# Altium PCB roach2.PcbDoc (part 14 of 39)
Units mil, origin at the board's own origin, x right, y up, seen from the top; angles counter-clockwise.
Board outline 12007.87 x 9606.3 mil, 16 copper layers (L1_TOP, L2_G, L3_S, L4_G, L5_S, L6_P, L7_G, L8_R, L9_R, L10_P, L11_P, L12_S, L13_P, L14_S, L15_G, L16_BOT), stack 81.651 mil thick; 1608 components, 1934 nets, 9335 pads, 6759 vias.
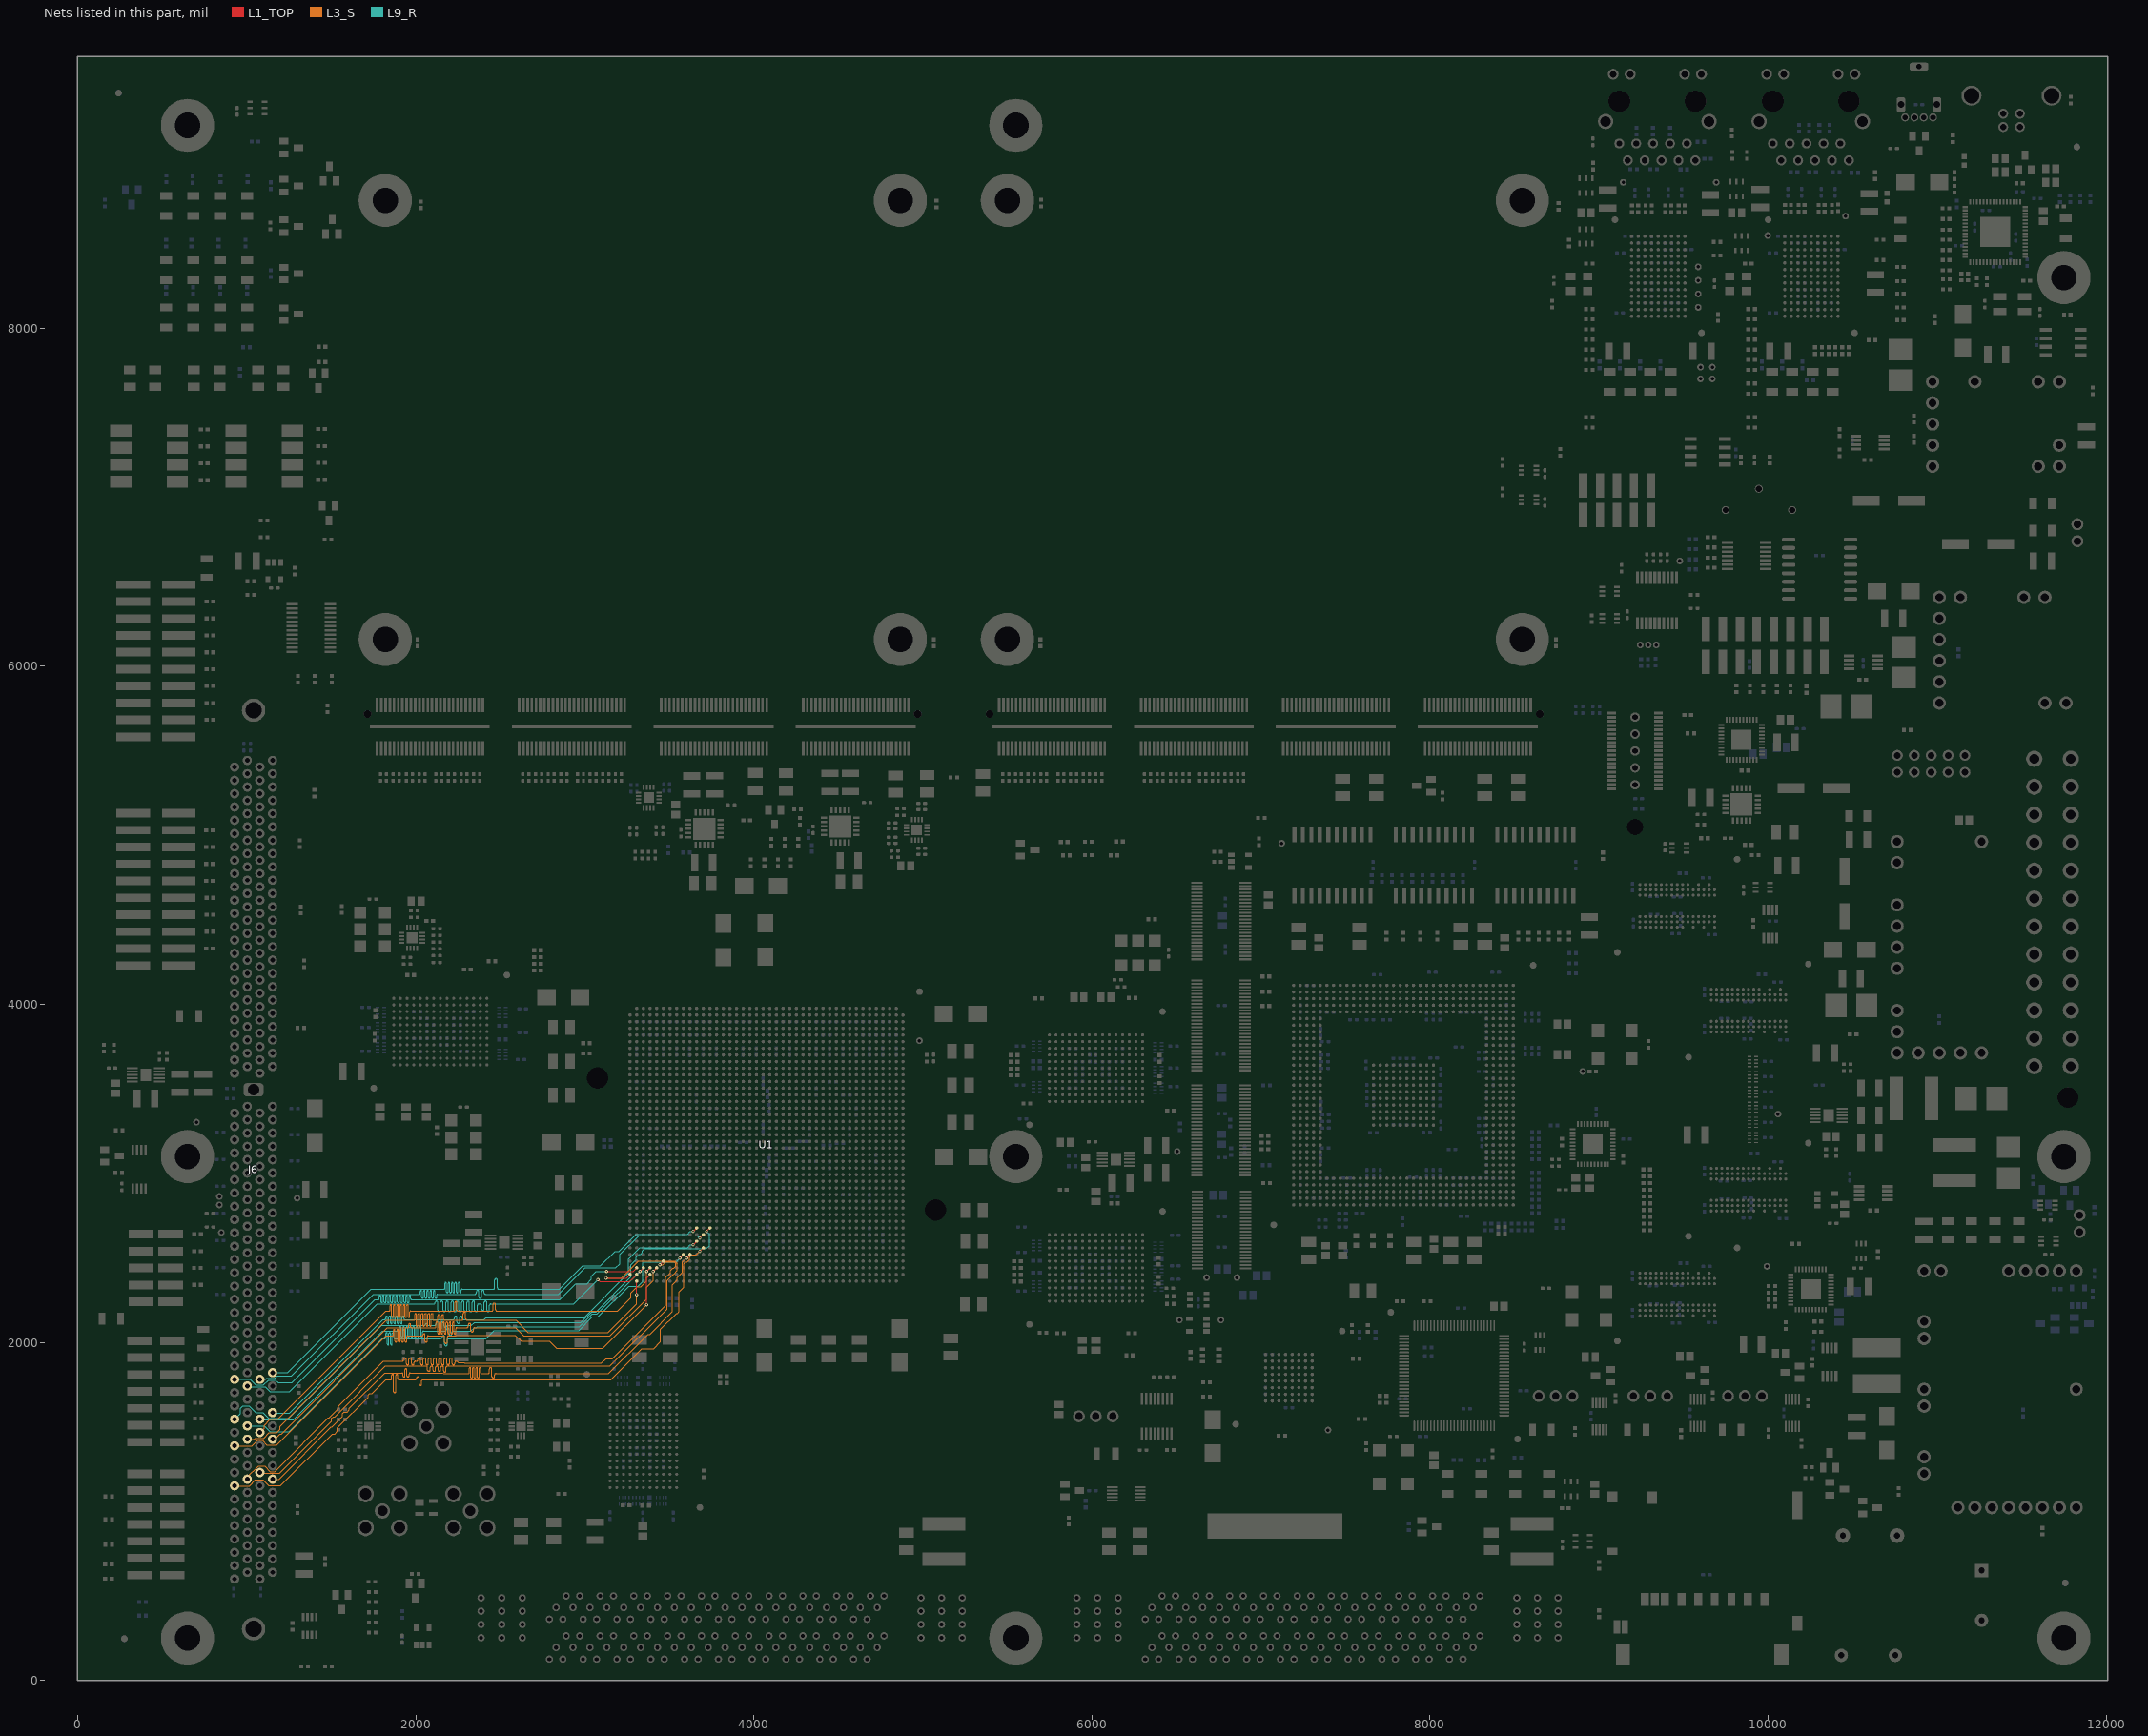
[diagram p28: the nets of this part, all layers, seen from the top]

## Via types
v1: diameter 19.4, hole 10, L1_TOP to L16_BOT, tented both sides, 3354 vias
v2: diameter 19.4, hole 10, L1_TOP to L16_BOT, 1884 vias
v3: diameter 19.4, hole 10, L1_TOP to L16_BOT, tented top, 410 vias
v4: diameter 18.6, hole 10, L1_TOP to L16_BOT, tented both sides, 311 vias
v5: diameter 59.06, hole 39.37, L1_TOP to L16_BOT, 217 vias
v6: diameter 19, hole 10, L1_TOP to L16_BOT, 198 vias
v7: diameter 19.4, hole 10.04, L1_TOP to L16_BOT, 125 vias
v8: diameter 19.4, hole 10, L1_TOP to L16_BOT, tented bottom, 80 vias
v9: diameter 25.98, hole 12.99, L1_TOP to L16_BOT, tented top, 59 vias
v10: diameter 20, hole 10, L1_TOP to L16_BOT, 52 vias
v11: diameter 59.06, hole 39.37, L1_TOP to L16_BOT, tented top, 44 vias
v12: diameter 20, hole 10, L1_TOP to L16_BOT, tented top, 16 vias
v13: diameter 19, hole 10, L1_TOP to L16_BOT, tented top, 5 vias
v14: diameter 50, hole 28, L1_TOP to L16_BOT, 4 vias

## Nets (pads, with @x,y where several pads share a name; then routed paths per layer and width w, separated by ;. In a path a pad name is that pad's centre, name@x,y a point inside that pad or via, vN(x,y) a via of type N, cw(c..) or ccw(c..) an arc to the next point about the centre after c; other vN are vias at no path point) (continued)
DDR3.DQ40: J6.90 U1.BA40 | length 3657.8
  L1_TOP w5: v2(3129.02,2419.72) 3286.5,2419.72 U1.BA40@3306.19,2439.41
  L9_R w3.8: J6.90@928.19,1781.57 928.77,1780.99 1018.99,1780.99 1052.99,1746.99 1098.99,1746.99 1128.99,1776.99 1168.99,1776.99 1184.99,1760.99 1266.99,1760.99 1758.99,2252.99 1778.99,2252.99 ; v2(3129.02,2419.72) 3065.72,2419.72 3038.42,2392.42 3038.42,2372.96 3012.45,2346.99 2946.99,2346.99 2852.99,2252.99 1974.99,2252.99 ; 1778.99,2252.99 ccw(c1778.99,2257.89) 1783.89,2257.89 ; 1778.99,2252.99 ccw(c1778.99,2257.89) 1783.89,2257.89 ; 1783.89,2257.89 1783.89,2271.97 ; 1783.89,2271.97 cw(c1788.79,2271.97) 1788.79,2276.87 ; 1783.89,2271.97 cw(c1788.79,2271.97) 1788.79,2276.87 ; 1788.79,2276.87 cw(c1788.79,2271.97) 1793.69,2271.97 ; 1788.79,2276.87 cw(c1788.79,2271.97) 1793.69,2271.97 ; 1793.69,2240.01 ccw(c1798.59,2240.01) 1798.59,2235.11 ; 1793.69,2240.01 ccw(c1798.59,2240.01) 1798.59,2235.11 ; 1793.69,2240.01 1793.69,2271.97 ; 1798.59,2235.11 ccw(c1798.59,2240.01) 1803.49,2240.01 1803.49,2271.97 ; 1803.49,2271.97 cw(c1808.39,2271.97) 1808.39,2276.87 ; 1803.49,2271.97 cw(c1808.39,2271.97) 1808.39,2276.87 ; 1808.39,2276.87 cw(c1808.39,2271.97) 1813.29,2271.97 ; 1808.39,2276.87 cw(c1808.39,2271.97) 1813.29,2271.97 ; 1813.29,2240.01 ccw(c1818.19,2240.01) 1818.19,2235.11 ; 1813.29,2240.01 ccw(c1818.19,2240.01) 1818.19,2235.11 ; 1813.29,2240.01 1813.29,2271.97 ; 1818.19,2235.11 ccw(c1818.19,2240.01) 1823.09,2240.01 1823.09,2271.97 ; 1823.09,2271.97 cw(c1827.99,2271.97) 1827.99,2276.87 ; 1823.09,2271.97 cw(c1827.99,2271.97) 1827.99,2276.87 ; 1827.99,2276.87 cw(c1827.99,2271.97) 1832.89,2271.97 ; 1827.99,2276.87 cw(c1827.99,2271.97) 1832.89,2271.97 ; 1832.89,2240.01 ccw(c1837.79,2240.01) 1837.79,2235.11 ; 1832.89,2240.01 ccw(c1837.79,2240.01) 1837.79,2235.11 ; 1832.89,2240.01 1832.89,2271.97 ; 1837.79,2235.11 ccw(c1837.79,2240.01) 1842.69,2240.01 1842.69,2271.97 ; 1842.69,2271.97 cw(c1847.59,2271.97) 1847.59,2276.87 ; 1842.69,2271.97 cw(c1847.59,2271.97) 1847.59,2276.87 ; 1847.59,2276.87 cw(c1847.59,2271.97) 1852.49,2271.97 ; 1847.59,2276.87 cw(c1847.59,2271.97) 1852.49,2271.97 ; 1852.49,2240.01 ccw(c1857.39,2240.01) 1857.39,2235.11 ; 1852.49,2240.01 ccw(c1857.39,2240.01) 1857.39,2235.11 ; 1852.49,2240.01 1852.49,2271.97 ; 1857.39,2235.11 ccw(c1857.39,2240.01) 1862.29,2240.01 1862.29,2271.97 ; 1862.29,2271.97 cw(c1867.19,2271.97) 1867.19,2276.87 ; 1862.29,2271.97 cw(c1867.19,2271.97) 1867.19,2276.87 ; 1867.19,2276.87 cw(c1867.19,2271.97) 1872.09,2271.97 ; 1867.19,2276.87 cw(c1867.19,2271.97) 1872.09,2271.97 ; 1872.09,2240.01 ccw(c1876.99,2240.01) 1876.99,2235.11 ; 1872.09,2240.01 ccw(c1876.99,2240.01) 1876.99,2235.11 ; 1872.09,2240.01 1872.09,2271.97 ; 1876.99,2235.11 ccw(c1876.99,2240.01) 1881.89,2240.01 1881.89,2271.97 ; 1881.89,2271.97 cw(c1886.79,2271.97) 1886.79,2276.87 ; 1881.89,2271.97 cw(c1886.79,2271.97) 1886.79,2276.87 ; 1886.79,2276.87 cw(c1886.79,2271.97) 1891.69,2271.97 ; 1886.79,2276.87 cw(c1886.79,2271.97) 1891.69,2271.97 ; 1891.69,2240.01 ccw(c1896.59,2240.01) 1896.59,2235.11 ; 1891.69,2240.01 ccw(c1896.59,2240.01) 1896.59,2235.11 ; 1891.69,2240.01 1891.69,2271.97 ; 1896.59,2235.11 ccw(c1896.59,2240.01) 1901.49,2240.01 1901.49,2271.97 ; 1901.49,2271.97 cw(c1906.39,2271.97) 1906.39,2276.87 ; 1901.49,2271.97 cw(c1906.39,2271.97) 1906.39,2276.87 ; 1906.39,2276.87 cw(c1906.39,2271.97) 1911.29,2271.97 ; 1906.39,2276.87 cw(c1906.39,2271.97) 1911.29,2271.97 ; 1911.29,2240.01 ccw(c1916.19,2240.01) 1916.19,2235.11 ; 1911.29,2240.01 ccw(c1916.19,2240.01) 1916.19,2235.11 ; 1911.29,2240.01 1911.29,2271.97 ; 1916.19,2235.11 ccw(c1916.19,2240.01) 1921.09,2240.01 1921.09,2271.97 ; 1921.09,2271.97 cw(c1925.99,2271.97) 1925.99,2276.87 ; 1921.09,2271.97 cw(c1925.99,2271.97) 1925.99,2276.87 ; 1925.99,2276.87 cw(c1925.99,2271.97) 1930.89,2271.97 ; 1925.99,2276.87 cw(c1925.99,2271.97) 1930.89,2271.97 ; 1930.89,2240.01 ccw(c1935.79,2240.01) 1935.79,2235.11 ; 1930.89,2240.01 ccw(c1935.79,2240.01) 1935.79,2235.11 ; 1930.89,2240.01 1930.89,2271.97 ; 1935.79,2235.11 ccw(c1935.79,2240.01) 1940.69,2240.01 1940.69,2271.97 ; 1940.69,2271.97 cw(c1945.59,2271.97) 1945.59,2276.87 ; 1940.69,2271.97 cw(c1945.59,2271.97) 1945.59,2276.87 ; 1945.59,2276.87 cw(c1945.59,2271.97) 1950.49,2271.97 ; 1945.59,2276.87 cw(c1945.59,2271.97) 1950.49,2271.97 ; 1950.49,2240.01 ccw(c1955.39,2240.01) 1955.39,2235.11 ; 1950.49,2240.01 ccw(c1955.39,2240.01) 1955.39,2235.11 ; 1950.49,2240.01 1950.49,2271.97 ; 1955.39,2235.11 ccw(c1955.39,2240.01) 1960.29,2240.01 1960.29,2271.97 ; 1960.29,2271.97 cw(c1965.19,2271.97) 1965.19,2276.87 ; 1960.29,2271.97 cw(c1965.19,2271.97) 1965.19,2276.87 ; 1965.19,2276.87 cw(c1965.19,2271.97) 1970.09,2271.97 ; 1965.19,2276.87 cw(c1965.19,2271.97) 1970.09,2271.97 ; 1970.09,2257.89 ccw(c1974.99,2257.89) 1974.99,2252.99 ; 1970.09,2257.89 ccw(c1974.99,2257.89) 1974.99,2252.99 ; 1970.09,2257.89 1970.09,2271.97
DDR3.DQ41: J6.91 U1.BA41 | length 3660
  L1_TOP w5: v2(3076.99,2370.99) 3088.99,2358.99 3265.14,2358.99 3286.5,2380.35 U1.BA41@3306.19,2400.04
  L9_R w3.8: J6.91@1002.99,1742.2 1008.9,1736.29 1111.19,1736.29 1138.74,1708.74 1254.74,1708.74 1772.99,2226.99 2107,2226.99 ccw(c2107,2234.8) 2114.81,2234.8 2114.81,2236.13 cw(c2122.61,2236.13) 2122.61,2243.94 cw(c2122.61,2236.13) 2130.42,2236.13 2130.42,2226.99 2130.42,2189.85 ccw(c2138.22,2189.85) 2138.22,2182.04 ccw(c2138.22,2189.85) 2146.03,2189.85 2146.03,2226.99 2146.03,2236.13 cw(c2153.83,2236.13) 2153.83,2243.94 cw(c2153.83,2236.13) 2161.64,2236.13 2161.64,2226.99 2161.64,2189.85 ccw(c2169.44,2189.85) 2169.44,2182.04 ccw(c2169.44,2189.85) 2177.25,2189.85 2177.25,2226.99 2177.25,2236.13 cw(c2185.05,2236.13) 2185.05,2243.94 cw(c2185.05,2236.13) 2192.86,2236.13 2192.86,2226.99 2192.86,2189.85 ccw(c2200.67,2189.85) 2200.67,2182.04 ccw(c2200.67,2189.85) 2208.47,2189.85 2208.47,2226.99 2208.47,2236.13 cw(c2216.28,2236.13) 2216.28,2243.94 cw(c2216.28,2236.13) 2224.08,2236.13 2224.08,2226.99 2224.08,2189.85 ccw(c2231.89,2189.85) 2231.89,2182.04 ccw(c2231.89,2189.85) 2239.69,2189.85 2239.69,2226.99 2239.69,2236.13 cw(c2247.5,2236.13) 2247.5,2243.94 cw(c2247.5,2236.13) 2255.3,2236.13 2255.3,2226.99 2255.3,2189.85 ccw(c2263.11,2189.85) 2263.11,2182.04 ccw(c2263.11,2189.85) 2270.92,2189.85 2270.92,2226.99 2270.92,2236.13 cw(c2278.72,2236.13) 2278.72,2243.94 cw(c2278.72,2236.13) 2286.53,2236.13 2286.53,2226.99 2286.53,2189.85 ccw(c2294.33,2189.85) 2294.33,2182.04 ccw(c2294.33,2189.85) 2302.14,2189.85 2302.14,2226.99 2302.14,2236.13 cw(c2309.94,2236.13) 2309.94,2243.94 cw(c2309.94,2236.13) 2317.75,2236.13 2317.75,2226.99 2317.75,2189.85 ccw(c2325.55,2189.85) 2325.55,2182.04 ccw(c2325.55,2189.85) 2333.36,2189.85 2333.36,2226.99 2333.36,2236.13 cw(c2341.16,2236.13) 2341.16,2243.94 cw(c2341.16,2236.13) 2348.97,2236.13 2348.97,2226.99 2348.97,2189.85 ccw(c2356.78,2189.85) 2356.78,2182.04 ccw(c2356.78,2189.85) 2364.58,2189.85 2364.58,2219.19 cw(c2372.39,2219.19) 2372.39,2226.99 2380.19,2226.99 2381.59,2226.99 cw(c2381.59,2219.19) 2389.4,2219.19 2389.4,2197.58 ccw(c2397.2,2197.58) 2397.2,2189.77 ccw(c2397.2,2197.58) 2405.01,2197.58 2405.01,2226.99 2405.01,2236.13 cw(c2412.81,2236.13) 2412.81,2243.94 cw(c2412.81,2236.13) 2420.62,2236.13 2420.62,2226.99 2420.62,2190.45 ccw(c2428.43,2190.45) 2428.43,2182.64 ccw(c2428.43,2190.45) 2436.23,2190.45 2436.23,2219.19 cw(c2444.04,2219.19) 2444.04,2226.99 2495,2226.99 2932.99,2226.99 v2(3076.99,2370.99)
DDR3.DQ42: J6.96 U1.AK34 | length 3660
  L1_TOP w5: v1(3719.57,2655.94) U1.AK34@3739.26,2675.63
  L9_R w3.8: J6.96@928.19,1545.35 962.99,1580.16 962.99,1610.99 976.99,1624.99 1012.99,1624.99 1052.99,1584.99 1096.99,1584.99 1130.72,1551.26 1249.26,1551.26 1798.99,2100.99 2052.99,2100.99 ; 2183.25,2093.81 cw(c2190.44,2093.81) 2190.44,2100.99 2284,2100.99 2328.51,2100.99 2346.41,2118.89 2359.58,2118.89 2361.48,2116.99 2976.99,2116.99 3040.99,2180.99 3066.99,2180.99 3272.99,2386.99 3272.99,2458.99 3304.99,2490.99 3304.99,2504.99 3322.23,2522.23 3332.33,2522.23 3341.47,2531.37 3341.47,2541.47 3353.43,2553.43 3719.43,2553.43 3737,2571 3737,2638.52 v1(3719.57,2655.94) ; 2183.25,2094.4 2183.25,2096.17 ; 2183.25,2096.76 cw(c2175.44,2096.76) 2175.44,2088.95 cw(c2175.44,2096.76) 2167.64,2096.76 2167.64,2100.99 2167.64,2116.44 ccw(c2159.83,2116.44) 2159.83,2124.24 ccw(c2159.83,2116.44) 2152.03,2116.44 2152.03,2100.99 2152.03,2085.55 cw(c2144.22,2085.55) 2144.22,2077.74 cw(c2144.22,2085.55) 2136.42,2085.55 2136.42,2100.99 2136.42,2116.44 ccw(c2128.61,2116.44) 2128.61,2124.24 ccw(c2128.61,2116.44) 2120.81,2116.44 2120.81,2108.8 cw(c2113,2108.8) 2113,2100.99 2072.59,2100.99 ; 2052.99,2100.99 ccw(c2052.99,2105.89) 2057.89,2105.89 ; 2052.99,2100.99 ccw(c2052.99,2105.89) 2057.89,2105.89 ; 2057.89,2105.89 cw(c2062.79,2105.89) 2062.79,2110.79 ; 2062.79,2110.79 cw(c2062.79,2105.89) 2067.69,2105.89 ; 2062.79,2110.79 cw(c2062.79,2105.89) 2067.69,2105.89 ; 2067.69,2105.89 ccw(c2072.59,2105.89) 2072.59,2100.99 ; 2067.69,2105.89 ccw(c2072.59,2105.89) 2072.59,2100.99
DDR3.DQ43: J6.97 U1.AP38 | length 3660
  L1_TOP w5: v1(3562.09,2498.46) U1.AP38@3581.78,2518.15
  L9_R w3.8: J6.97@1002.99,1505.98 1105.28,1505.98 1138.74,1472.52 1250.52,1472.52 1800.99,2022.99 1816.99,2022.99 ; 1831.69,2022.99 1831.69,1990.08 ; 1861.09,2022.99 1861.09,1990.08 ; v1(3562.09,2498.46) 3540.62,2476.99 3350.99,2476.99 3342.99,2468.99 3342.99,2360.99 3314.99,2332.99 3260.99,2332.99 3078.99,2150.99 3044.99,2150.99 2964.99,2070.99 2462.99,2070.99 2414.99,2022.99 2290,2022.99 2193.83,2022.99 ccw(c2193.83,2015.19) 2186.03,2015.19 2186.03,1987.32 cw(c2178.22,1987.32) 2178.22,1979.52 cw(c2178.22,1987.32) 2170.42,1987.32 2170.42,2022.99 2170.42,2030.8 ccw(c2162.61,2030.8) 2162.61,2038.6 ccw(c2162.61,2030.8) 2154.81,2030.8 cw(c2147,2030.8) 2147,2022.99 1875.79,2022.99 ; 1816.99,2022.99 ccw(c1816.99,2027.89) 1821.89,2027.89 ; 1816.99,2022.99 ccw(c1816.99,2027.89) 1821.89,2027.89 ; 1821.89,2027.89 1821.89,2052.11 ; 1821.89,2052.11 cw(c1826.79,2052.11) 1826.79,2057.01 ; 1821.89,2052.11 cw(c1826.79,2052.11) 1826.79,2057.01 ; 1826.79,2057.01 cw(c1826.79,2052.11) 1831.69,2052.11 ; 1826.79,2057.01 cw(c1826.79,2052.11) 1831.69,2052.11 ; 1831.69,1990.08 ccw(c1836.59,1990.08) 1836.59,1985.18 ; 1831.69,1990.08 ccw(c1836.59,1990.08) 1836.59,1985.18 ; 1831.69,1990.08 1831.69,2052.11 ; 1836.59,1985.18 ccw(c1836.59,1990.08) 1841.49,1990.08 1841.49,2052.11 ; 1841.49,2052.11 cw(c1846.39,2052.11) 1846.39,2057.01 ; 1841.49,2052.11 cw(c1846.39,2052.11) 1846.39,2057.01 ; 1846.39,2057.01 cw(c1846.39,2052.11) 1851.29,2052.11 ; 1846.39,2057.01 cw(c1846.39,2052.11) 1851.29,2052.11 ; 1851.29,1990.08 ccw(c1856.19,1990.08) 1856.19,1985.18 ; 1851.29,1990.08 ccw(c1856.19,1990.08) 1856.19,1985.18 ; 1851.29,1990.08 1851.29,2052.11 ; 1856.19,1985.18 ccw(c1856.19,1990.08) 1861.09,1990.08 ; 1861.09,1990.08 1861.09,2052.11 ; 1861.09,2052.11 cw(c1865.99,2052.11) 1865.99,2057.01 ; 1861.09,2052.11 cw(c1865.99,2052.11) 1865.99,2057.01 ; 1865.99,2057.01 cw(c1865.99,2052.11) 1870.89,2052.11 ; 1865.99,2057.01 cw(c1865.99,2052.11) 1870.89,2052.11 ; 1870.89,2027.89 ccw(c1875.79,2027.89) 1875.79,2022.99 ; 1870.89,2027.89 ccw(c1875.79,2027.89) 1875.79,2022.99 ; 1870.89,2027.89 1870.89,2052.11
DDR3.DQ44: J6.209 U1.AM34 | length 3660
  L1_TOP w5: v1(3640.83,2655.94) U1.AM34@3660.52,2675.63
  L9_R w3.8: J6.209@1152.6,1820.94 1242.94,1820.94 1736.99,2314.99 2166.99,2314.99 ; v1(3640.83,2655.94) 3623.53,2655.94 3607.93,2640.34 3304.34,2640.34 3202.99,2538.99 3178.99,2538.99 3092.99,2452.99 2988.99,2452.99 2850.99,2314.99 2593,2314.99 2490.22,2314.99 cw(c2490.22,2322.8) 2482.42,2322.8 2482.42,2368.9 ccw(c2474.61,2368.9) 2474.61,2376.7 ccw(c2474.61,2368.9) 2466.81,2368.9 2466.81,2322.8 cw(c2459,2322.8) 2459,2314.99 2274.79,2314.99 ; 2166.99,2314.99 ccw(c2166.99,2319.89) 2171.89,2319.89 ; 2166.99,2314.99 ccw(c2166.99,2319.89) 2171.89,2319.89 ; 2171.89,2319.89 2171.89,2349.16 ; 2171.89,2349.16 cw(c2176.79,2349.16) 2176.79,2354.06 ; 2171.89,2349.16 cw(c2176.79,2349.16) 2176.79,2354.06 ; 2176.79,2354.06 cw(c2176.79,2349.16) 2181.69,2349.16 ; 2176.79,2354.06 cw(c2176.79,2349.16) 2181.69,2349.16 ; 2181.69,2298.62 ccw(c2186.59,2298.62) 2186.59,2293.72 ; 2181.69,2298.62 ccw(c2186.59,2298.62) 2186.59,2293.72 ; 2181.69,2298.62 2181.69,2349.16 ; 2186.59,2293.72 ccw(c2186.59,2298.62) 2191.49,2298.62 2191.49,2349.16 ; 2191.49,2349.16 cw(c2196.39,2349.16) 2196.39,2354.06 ; 2191.49,2349.16 cw(c2196.39,2349.16) 2196.39,2354.06 ; 2196.39,2354.06 cw(c2196.39,2349.16) 2201.29,2349.16 ; 2196.39,2354.06 cw(c2196.39,2349.16) 2201.29,2349.16 ; 2201.29,2298.62 ccw(c2206.19,2298.62) 2206.19,2293.72 ; 2201.29,2298.62 ccw(c2206.19,2298.62) 2206.19,2293.72 ; 2201.29,2298.62 2201.29,2349.16 ; 2206.19,2293.72 ccw(c2206.19,2298.62) 2211.09,2298.62 2211.09,2349.16 ; 2211.09,2349.16 cw(c2215.99,2349.16) 2215.99,2354.06 ; 2211.09,2349.16 cw(c2215.99,2349.16) 2215.99,2354.06 ; 2215.99,2354.06 cw(c2215.99,2349.16) 2220.89,2349.16 ; 2215.99,2354.06 cw(c2215.99,2349.16) 2220.89,2349.16 ; 2220.89,2298.62 ccw(c2225.79,2298.62) 2225.79,2293.72 ; 2220.89,2298.62 ccw(c2225.79,2298.62) 2225.79,2293.72 ; 2220.89,2298.62 2220.89,2349.16 ; 2225.79,2293.72 ccw(c2225.79,2298.62) 2230.69,2298.62 2230.69,2349.16 ; 2230.69,2349.16 cw(c2235.59,2349.16) 2235.59,2354.06 ; 2230.69,2349.16 cw(c2235.59,2349.16) 2235.59,2354.06 ; 2235.59,2354.06 cw(c2235.59,2349.16) 2240.49,2349.16 ; 2235.59,2354.06 cw(c2235.59,2349.16) 2240.49,2349.16 ; 2240.49,2298.62 ccw(c2245.39,2298.62) 2245.39,2293.72 ; 2240.49,2298.62 ccw(c2245.39,2298.62) 2245.39,2293.72 ; 2240.49,2298.62 2240.49,2349.16 ; 2245.39,2293.72 ccw(c2245.39,2298.62) 2250.29,2298.62 2250.29,2349.16 ; 2250.29,2349.16 cw(c2255.19,2349.16) 2255.19,2354.06 ; 2250.29,2349.16 cw(c2255.19,2349.16) 2255.19,2354.06 ; 2255.19,2354.06 cw(c2255.19,2349.16) 2260.09,2349.16 ; 2255.19,2354.06 cw(c2255.19,2349.16) 2260.09,2349.16 ; 2260.09,2298.62 ccw(c2264.99,2298.62) 2264.99,2293.72 ; 2260.09,2298.62 ccw(c2264.99,2298.62) 2264.99,2293.72 ; 2260.09,2298.62 2260.09,2349.16 ; 2264.99,2293.72 ccw(c2264.99,2298.62) 2269.89,2298.62 2269.89,2310.09 ; 2269.89,2310.09 cw(c2274.79,2310.09) 2274.79,2314.99 ; 2269.89,2310.09 cw(c2274.79,2310.09) 2274.79,2314.99
DDR3.DQ45: J6.210 U1.AL35 | length 3660
  L1_TOP w5: v1(3680.2,2616.57) U1.AL35@3699.89,2636.26
  L9_R w3.8: J6.210@1077.8,1781.57 1113.57,1781.57 1119.48,1787.48 1166.46,1787.48 1180.96,1801.99 1265.99,1801.99 1748.99,2284.99 2020.99,2284.99 ; v1(3680.2,2616.57) 3664.6,2632.17 3319.41,2632.17 3206.99,2519.76 3206.99,2464.99 3182.99,2440.99 3000.99,2440.99 2844.99,2284.99 2556,2284.99 2412.44,2284.99 cw(c2412.44,2292.8) 2404.64,2292.8 2404.64,2299.32 ccw(c2396.83,2299.32) 2396.83,2307.13 ccw(c2396.83,2299.32) 2389.03,2299.32 2389.03,2284.99 2389.03,2268.66 cw(c2381.22,2268.66) 2381.22,2260.86 cw(c2381.22,2268.66) 2373.42,2268.66 2373.42,2284.99 2373.42,2299.32 ccw(c2365.61,2299.32) 2365.61,2307.13 ccw(c2365.61,2299.32) 2357.81,2299.32 2357.81,2292.8 cw(c2350,2292.8) 2350,2284.99 2128.79,2284.99 ; 2020.99,2284.99 ccw(c2020.99,2289.89) 2025.89,2289.89 ; 2020.99,2284.99 ccw(c2020.99,2289.89) 2025.89,2289.89 ; 2025.89,2289.89 2025.89,2301.31 ; 2025.89,2301.31 cw(c2030.79,2301.31) 2030.79,2306.21 ; 2025.89,2301.31 cw(c2030.79,2301.31) 2030.79,2306.21 ; 2030.79,2306.21 cw(c2030.79,2301.31) 2035.69,2301.31 ; 2030.79,2306.21 cw(c2030.79,2301.31) 2035.69,2301.31 ; 2035.69,2266.68 ccw(c2040.59,2266.68) 2040.59,2261.78 ; 2035.69,2266.68 ccw(c2040.59,2266.68) 2040.59,2261.78 ; 2035.69,2266.68 2035.69,2301.31 ; 2040.59,2261.78 ccw(c2040.59,2266.68) 2045.49,2266.68 2045.49,2301.31 ; 2045.49,2301.31 cw(c2050.39,2301.31) 2050.39,2306.21 ; 2045.49,2301.31 cw(c2050.39,2301.31) 2050.39,2306.21 ; 2050.39,2306.21 cw(c2050.39,2301.31) 2055.29,2301.31 ; 2050.39,2306.21 cw(c2050.39,2301.31) 2055.29,2301.31 ; 2055.29,2266.68 ccw(c2060.19,2266.68) 2060.19,2261.78 ; 2055.29,2266.68 ccw(c2060.19,2266.68) 2060.19,2261.78 ; 2055.29,2266.68 2055.29,2301.31 ; 2060.19,2261.78 ccw(c2060.19,2266.68) 2065.09,2266.68 2065.09,2301.31 ; 2065.09,2301.31 cw(c2069.99,2301.31) 2069.99,2306.21 ; 2065.09,2301.31 cw(c2069.99,2301.31) 2069.99,2306.21 ; 2069.99,2306.21 cw(c2069.99,2301.31) 2074.89,2301.31 ; 2069.99,2306.21 cw(c2069.99,2301.31) 2074.89,2301.31 ; 2074.89,2266.68 ccw(c2079.79,2266.68) 2079.79,2261.78 ; 2074.89,2266.68 ccw(c2079.79,2266.68) 2079.79,2261.78 ; 2074.89,2266.68 2074.89,2301.31 ; 2079.79,2261.78 ccw(c2079.79,2266.68) 2084.69,2266.68 2084.69,2301.31 ; 2084.69,2301.31 cw(c2089.59,2301.31) 2089.59,2306.21 ; 2084.69,2301.31 cw(c2089.59,2301.31) 2089.59,2306.21 ; 2089.59,2306.21 cw(c2089.59,2301.31) 2094.49,2301.31 ; 2089.59,2306.21 cw(c2089.59,2301.31) 2094.49,2301.31 ; 2094.49,2266.68 ccw(c2099.39,2266.68) 2099.39,2261.78 ; 2094.49,2266.68 ccw(c2099.39,2266.68) 2099.39,2261.78 ; 2094.49,2266.68 2094.49,2301.31 ; 2099.39,2261.78 ccw(c2099.39,2266.68) 2104.29,2266.68 2104.29,2301.31 ; 2104.29,2301.31 cw(c2109.19,2301.31) 2109.19,2306.21 ; 2104.29,2301.31 cw(c2109.19,2301.31) 2109.19,2306.21 ; 2109.19,2306.21 cw(c2109.19,2301.31) 2114.09,2301.31 ; 2109.19,2306.21 cw(c2109.19,2301.31) 2114.09,2301.31 ; 2114.09,2266.68 ccw(c2118.99,2266.68) 2118.99,2261.78 ; 2114.09,2266.68 ccw(c2118.99,2266.68) 2118.99,2261.78 ; 2114.09,2266.68 2114.09,2301.31 ; 2118.99,2261.78 ccw(c2118.99,2266.68) 2123.89,2266.68 2123.89,2280.09 ; 2123.89,2280.09 cw(c2128.79,2280.09) 2128.79,2284.99 ; 2123.89,2280.09 cw(c2128.79,2280.09) 2128.79,2284.99
DDR3.DQ46: J6.215 U1.AM36 | length 3660
  L1_TOP w5: v1(3640.83,2577.2) U1.AM36@3660.52,2596.89
  L9_R w3.8: J6.215@1152.6,1584.72 1154.33,1582.99 1252.99,1582.99 1804.99,2134.99 1816.99,2134.99 ; v1(3640.83,2577.2) 3623.53,2577.2 3607.93,2561.6 3327.58,2561.6 3258.73,2492.76 3258.73,2410.73 2994.99,2146.99 2414.99,2146.99 2402.99,2134.99 2332,2134.99 2283.44,2134.99 cw(c2283.44,2142.8) 2275.64,2142.8 2275.64,2146.16 ccw(c2267.83,2146.16) 2267.83,2153.96 ccw(c2267.83,2146.16) 2260.03,2146.16 2260.03,2134.99 2260.03,2120.03 cw(c2252.22,2120.03) 2252.22,2112.22 cw(c2252.22,2120.03) 2244.42,2120.03 2244.42,2134.99 2244.42,2146.16 ccw(c2236.61,2146.16) 2236.61,2153.96 ccw(c2236.61,2146.16) 2228.81,2146.16 2228.81,2142.8 cw(c2221,2142.8) 2221,2134.99 1934.59,2134.99 ; 1816.99,2134.99 ccw(c1816.99,2139.89) 1821.89,2139.89 ; 1816.99,2134.99 ccw(c1816.99,2139.89) 1821.89,2139.89 ; 1821.89,2139.89 1821.89,2150.77 ; 1821.89,2150.77 cw(c1826.79,2150.77) 1826.79,2155.67 ; 1821.89,2150.77 cw(c1826.79,2150.77) 1826.79,2155.67 ; 1826.79,2155.67 cw(c1826.79,2150.77) 1831.69,2150.77 ; 1826.79,2155.67 cw(c1826.79,2150.77) 1831.69,2150.77 ; 1831.69,2115.41 ccw(c1836.59,2115.41) 1836.59,2110.51 ; 1831.69,2115.41 ccw(c1836.59,2115.41) 1836.59,2110.51 ; 1831.69,2115.41 1831.69,2150.77 ; 1836.59,2110.51 ccw(c1836.59,2115.41) 1841.49,2115.41 1841.49,2150.77 ; 1841.49,2150.77 cw(c1846.39,2150.77) 1846.39,2155.67 ; 1841.49,2150.77 cw(c1846.39,2150.77) 1846.39,2155.67 ; 1846.39,2155.67 cw(c1846.39,2150.77) 1851.29,2150.77 ; 1846.39,2155.67 cw(c1846.39,2150.77) 1851.29,2150.77 ; 1851.29,2115.41 ccw(c1856.19,2115.41) 1856.19,2110.51 ; 1851.29,2115.41 ccw(c1856.19,2115.41) 1856.19,2110.51 ; 1851.29,2115.41 1851.29,2150.77 ; 1856.19,2110.51 ccw(c1856.19,2115.41) 1861.09,2115.41 1861.09,2150.77 ; 1861.09,2150.77 cw(c1865.99,2150.77) 1865.99,2155.67 ; 1861.09,2150.77 cw(c1865.99,2150.77) 1865.99,2155.67 ; 1865.99,2155.67 cw(c1865.99,2150.77) 1870.89,2150.77 ; 1865.99,2155.67 cw(c1865.99,2150.77) 1870.89,2150.77 ; 1870.89,2115.41 ccw(c1875.79,2115.41) 1875.79,2110.51 ; 1870.89,2115.41 ccw(c1875.79,2115.41) 1875.79,2110.51 ; 1870.89,2115.41 1870.89,2150.77 ; 1875.79,2110.51 ccw(c1875.79,2115.41) 1880.69,2115.41 1880.69,2150.77 ; 1880.69,2150.77 cw(c1885.59,2150.77) 1885.59,2155.67 ; 1880.69,2150.77 cw(c1885.59,2150.77) 1885.59,2155.67 ; 1885.59,2155.67 cw(c1885.59,2150.77) 1890.49,2150.77 ; 1885.59,2155.67 cw(c1885.59,2150.77) 1890.49,2150.77 ; 1890.49,2115.41 ccw(c1895.39,2115.41) 1895.39,2110.51 ; 1890.49,2115.41 ccw(c1895.39,2115.41) 1895.39,2110.51 ; 1890.49,2115.41 1890.49,2150.77 ; 1895.39,2110.51 ccw(c1895.39,2115.41) 1900.29,2115.41 1900.29,2150.77 ; 1900.29,2150.77 cw(c1905.19,2150.77) 1905.19,2155.67 ; 1900.29,2150.77 cw(c1905.19,2150.77) 1905.19,2155.67 ; 1905.19,2155.67 cw(c1905.19,2150.77) 1910.09,2150.77 ; 1905.19,2155.67 cw(c1905.19,2150.77) 1910.09,2150.77 ; 1910.09,2115.41 ccw(c1914.99,2115.41) 1914.99,2110.51 ; 1910.09,2115.41 ccw(c1914.99,2115.41) 1914.99,2110.51 ; 1910.09,2115.41 1910.09,2150.77 ; 1914.99,2110.51 ccw(c1914.99,2115.41) 1919.89,2115.41 1919.89,2150.77 ; 1919.89,2150.77 cw(c1924.79,2150.77) 1924.79,2155.67 ; 1919.89,2150.77 cw(c1924.79,2150.77) 1924.79,2155.67 ; 1924.79,2155.67 cw(c1924.79,2150.77) 1929.69,2150.77 ; 1924.79,2155.67 cw(c1924.79,2150.77) 1929.69,2150.77 ; 1929.69,2139.89 ccw(c1934.59,2139.89) 1934.59,2134.99 ; 1929.69,2139.89 ccw(c1934.59,2139.89) 1934.59,2134.99 ; 1929.69,2139.89 1929.69,2150.77